# Altium PCB Lancelot.PcbDoc (part 8 of 14)
Units mil, origin at the board's own origin, x right, y up, seen from the top; angles counter-clockwise.
Board outline 4837.61 x 3252.61 mil, 6 copper layers (Top Layer, Mid-Layer 1, Mid-Layer 2, Mid-Layer 3, Mid-Layer 4, Bottom Layer); 372 components, 275 nets, 2062 pads, 1350 vias.
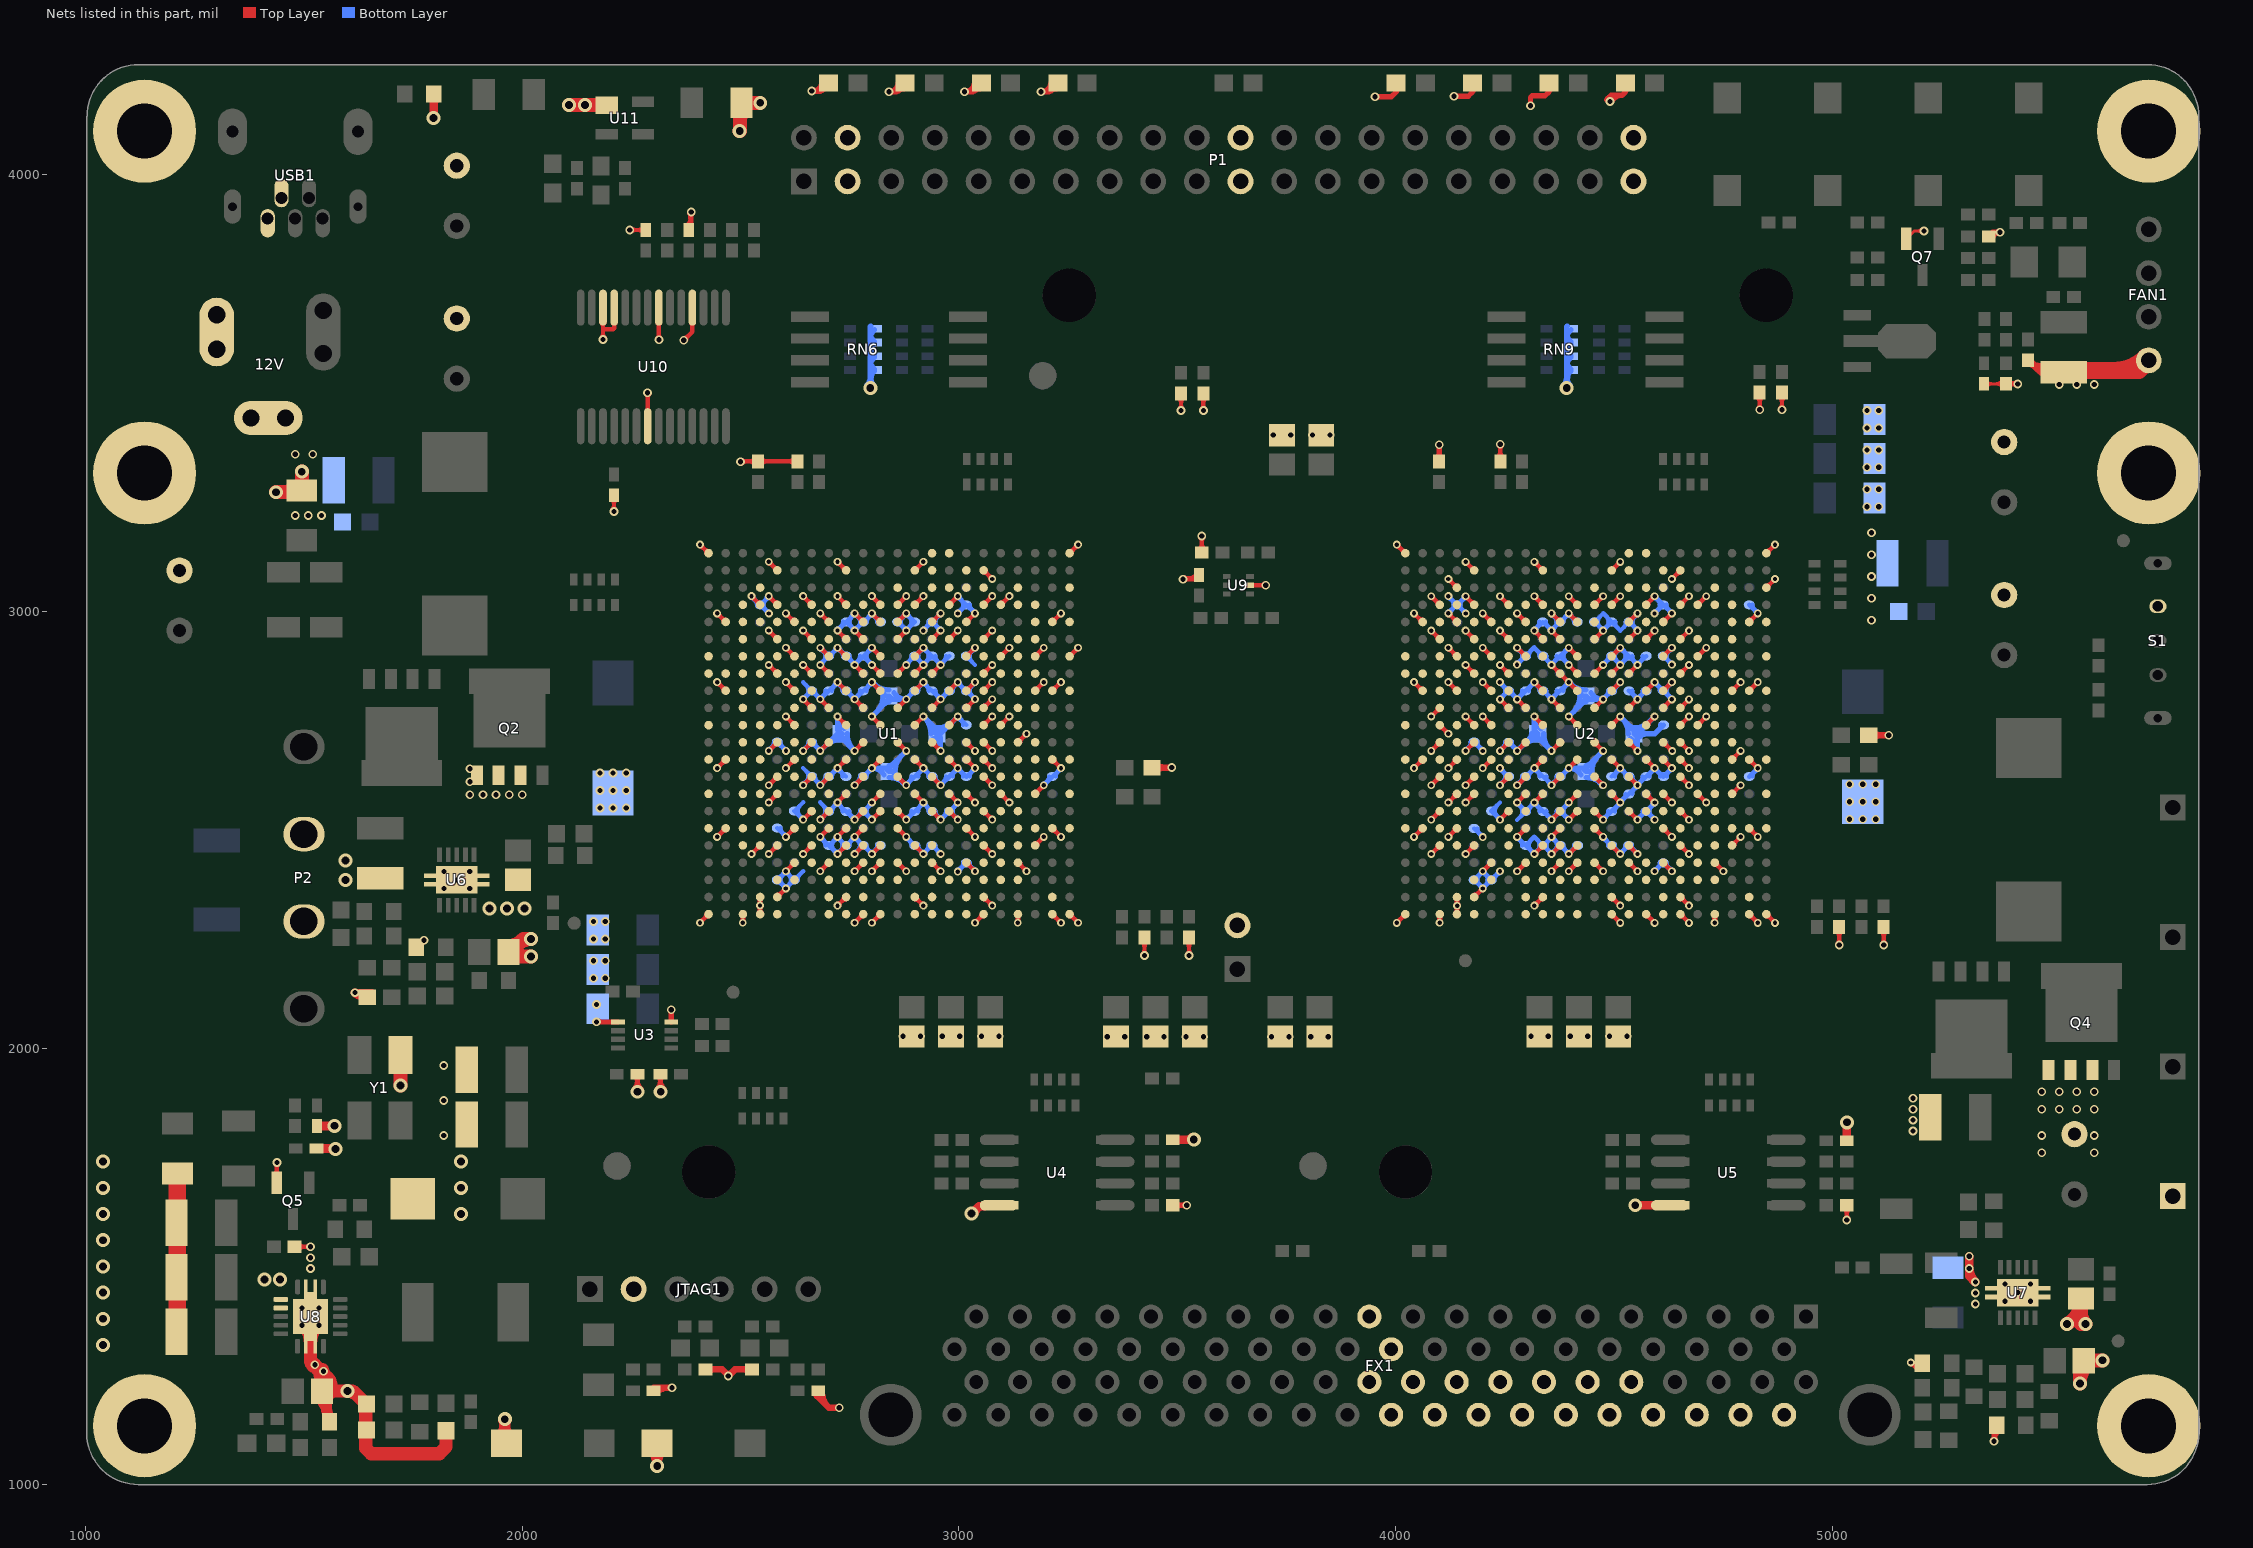
[diagram p12: the nets of this part, all layers, seen from the top]

## Via types
v1: diameter 18, hole 10, Top Layer to Bottom Layer, tented both sides, 625 vias
v2: diameter 20, hole 12, Top Layer to Bottom Layer, tented both sides, 515 vias
v3: diameter 32, hole 18, Top Layer to Bottom Layer, tented both sides, 191 vias
v4: diameter 23.62, hole 11.81, Top Layer to Bottom Layer, tented bottom, 10 vias
v5: diameter 19.68, hole 11.81, Top Layer to Bottom Layer, tented bottom, 4 vias
v6: diameter 118.11, hole 118.11, Top Layer to Bottom Layer, tented bottom, 2 vias
v7: diameter 78.74, hole 78.74, Top Layer to Bottom Layer, tented bottom, 2 vias
v8: diameter 50, hole 28, Top Layer to Bottom Layer, tented both sides, 1 vias

## Nets (pads, with @x,y where several pads share a name; then routed paths per layer and width w, separated by ;. In a path a pad name is that pad's centre, name@x,y a point inside that pad or via, vN(x,y) a via of type N, cw(c..) or ccw(c..) an arc to the next point about the centre after c; other vN are vias at no path point) (continued)
GND: (continued)
  Bottom Layer w10: v1@2524,3031.1 cw(c2519.19,3013.13) 2535.3,3022.43 ; v1@2525.04,3030.96 cw(c2525.04,3021.31) 2531.87,3028.13 cw(c2538.7,3034.96) v1@2529.04,3034.96 ; v1@2525.23,3034.77 C64.1@2545,3015 ; 2532.2,3027.8 cw(c2519.39,3015) C64.1@2537.5,3015 ; 2554.66,3007.65 ccw(c2570.56,3016.83) v1@2565.81,2999.09 ; 2555.14,3023.19 cw(c2569.84,3014.71) v1@2565.44,3031.1 ; 2557.19,3027.19 ccw(c2549.42,3034.96) v1@2560.41,3034.96 ; 2557.8,3002.2 cw(c2570.61,3015) 2552.5,3015 cw(c2570.61,3015) 2557.8,3027.8 ; v1@2560.77,2995.23 ccw(c2551.12,2995.23) 2557.94,3002.06 ccw(c2564.77,3008.88) v1@2564.77,2999.23 ; v1@2563.37,2684.49 ccw(c2558.86,2701.35) 2573.97,2692.62 ; v1@2564.32,2680.54 v1(2564.41,2680.63) 2584.09,2700.32 v1(2603.87,2680.54) ; v1@2564.41,2684.63 ccw(c2564.41,2694.29) 2571.24,2687.46 ccw(c2578.07,2680.63) v1@2568.41,2680.63 ; v1(2564.77,2995.23) C64.1@2545,3015 ; v1@2564.77,3034.77 C64.1@2545,3015 ; v1@2570.65,2686.87 ccw(c2556.51,2701) C44.1@2576.5,2701 ; C45.1@2584,2504 v1@2603.77,2484.23 ; C45.1@2591.5,2504 ccw(c2609.61,2504) 2596.8,2491.2 ; C44.1@2591.5,2701 ccw(c2611.03,2701) 2597.22,2687.19 ; C134.1@2593.49,2378.15 ccw(c2609.64,2387.47) v1@2604.81,2369.46 ; 2593.8,2392.72 cw(c2609.51,2383.65) v1@2604.81,2401.17 ; 2594,2692.78 ccw(c2609.55,2701.76) v1@2604.9,2684.41 ; 2594.12,2495.85 ccw(c2609.37,2504.66) v1@2604.81,2487.64 ; 2596.49,2372.96 cw(c2608.52,2385) 2591.5,2385 cw(c2610.23,2385) 2596.99,2398.25 ; 2596.64,2491.36 cw(c2589.05,2483.78) v1@2599.78,2483.78 ; 2596.9,2372.55 cw(c2589.95,2365.6) v1@2599.78,2365.6 ; 2597.07,2372.37 ccw(c2603.78,2379.08) 2603.78,2369.6 ccw(c2603.78,2379.08) 2610.49,2372.38 ; v1@2599.78,2405.04 cw(c2590.12,2405.04) 2596.95,2398.21 cw(c2603.78,2391.38) v1@2603.78,2401.04 ; v1@2599.87,2680.54 ccw(c2590.21,2680.54) 2597.04,2687.37 ccw(c2603.87,2694.2) v1@2603.87,2684.54 ; v1@2602.74,2369.46 ccw(c2598.22,2386.33) 2613.34,2377.6 ; v1@2602.74,2401.17 cw(c2598.53,2385.45) 2612.63,2393.59 ; v1@2603.23,2404.77 v1@2603.37,2404.63 ; v1@2603.69,2365.58 v1@2603.78,2365.67 ; v1@2603.87,2365.58 v1(2603.78,2365.6) ; v1@2603.87,2405.13 v1(2603.78,2405.04) v1@2603.37,2404.63 ; v1@2607.78,2365.6 cw(c2617.61,2365.6) 2610.66,2372.55 ; v1@2607.78,2405.04 ccw(c2619.41,2405.04) 2611.18,2396.82 ; 2610.12,2372.01 ccw(c2597.13,2385) 2615.5,2385 ccw(c2597.39,2385) 2610.2,2397.8 ; C57.1@2623,2385 v1@2603.37,2404.63 ; C56.1@2623,2543 v1@2642.77,2523.23 ; C56.1@2623.46,2542.83 2643.24,2562.61 ; C57.1@2630.5,2385 cw(c2648.34,2385) 2635.73,2397.62 ; C56.1@2632.44,2536.03 ccw(c2649.19,2545.7) v1@2644.18,2527.01 ; 2635.36,2554.73 ccw(c2647.09,2543) 2630.5,2543 ccw(c2648.61,2543) 2635.8,2530.2 ccw(c2643.15,2537.52) v1@2643.15,2527.15 ; 2636.53,2529.47 cw(c2630.21,2523.15) v1@2639.15,2523.15 ; v1@2642.11,2605.75 ccw(c2637.39,2623.37) 2653.19,2614.25 ; v1@2642.11,2684.49 ccw(c2637.12,2703.12) C36.1@2653.82,2693.48 ; v1@2642.11,2802.6 ccw(c2637.07,2821.42) C53.1@2653.94,2811.68 ; v1@2643.06,2601.8 v1(2643.15,2601.89) 2662.83,2621.57 2643.06,2641.35 ; v1@2643.15,2605.89 ccw(c2643.15,2615.55) 2649.98,2608.72 ccw(c2656.81,2601.89) v1@2647.15,2601.89 ; v1@2643.15,2684.63 ccw(c2643.15,2695.45) 2650.8,2687.8 ; v1@2643.15,2802.74 ccw(c2643.15,2813.83) 2650.99,2805.99 ; 2643.24,2405.13 v1@2603.78,2365.67 ; v1@2643.23,2680.23 C36.1@2663,2700 v1@2682.77,2680.23 ; v1@2643.23,2798.23 C53.1@2663,2818 ; 2643.23,2837.77 C53.1@2663,2818 ; 2650.01,2608.75 ccw(c2636.77,2622) 2655.5,2622 ccw(c2638.82,2622) 2650.61,2633.8 ; 2650.2,2687.2 ccw(c2637.39,2700) C36.1@2655.5,2700 ; 2650.2,2805.2 ccw(c2637.39,2818) 2655.5,2818 ccw(c2637.39,2818) 2650.2,2830.8 ; C54.1@2663,2622 v1@2682.77,2602.23 ; C54.1@2670.5,2622 ccw(c2688.61,2622) 2675.8,2609.2 ; C36.1@2670.5,2700 ccw(c2688.61,2700) 2675.8,2687.2 cw(c2669.22,2680.63) v1@2678.52,2680.63 ; C53.1@2670.5,2818 ccw(c2688.61,2818) 2675.8,2805.2 ; C53.1@2672.32,2811.22 ccw(c2688.34,2820.47) v1@2683.55,2802.6 ; C36.1@2672.44,2693.02 ccw(c2688.29,2702.17) v1@2683.55,2684.49 ; 2673.21,2613.69 ccw(c2687.96,2622.21) v1@2683.55,2605.75 ; 2675.27,2609.73 cw(c2667.43,2601.89) v1@2678.52,2601.89 ; 2675.25,2805.75 ccw(c2682.52,2813.03) 2682.52,2802.74 ccw(c2682.52,2812.93) 2689.73,2805.73 ; 2675.44,2687.56 ccw(c2682.52,2694.64) v1@2682.52,2684.63 ; 2675.87,2805.13 cw(c2669.49,2798.74) v1@2678.52,2798.74 ; v1@2681.48,2479.91 cw(c2676.89,2462.78) 2692.26,2471.65 ; v1@2681.48,2527.01 ccw(c2676.68,2544.94) C93.1@2692.75,2535.66 ; v1@2681.48,2605.75 ccw(c2676.97,2622.6) 2692.08,2613.88 ; v1@2681.48,2802.6 ccw(c2676.73,2820.36) C79.1@2692.65,2811.17 ; v1@2681.48,2881.34 ccw(c2677.28,2897.02) 2691.34,2888.91 ; v1@2681.48,2912.99 cw(c2676.68,2895.06) C81.1@2692.75,2904.34 ; v1@2682.23,2798.23 v1@2682.5,2798.5 ; v1@2682.23,2878.23 C81.1@2701.69,2897.69 ; v1@2682.43,2483.87 2702.2,2464.09 v1@2721.81,2483.69 ; v1@2682.43,2523.06 v1(2682.52,2523.15) 2702.2,2542.83 2682.43,2562.61 ; v1@2682.43,2601.8 v1(2682.52,2601.89) C75.1@2702.2,2621.57 ; v1@2682.43,2916.94 v1(2682.52,2916.85) C81.1@2701.69,2897.69 ; v1@2682.52,2479.78 cw(c2682.52,2470.12) 2689.35,2476.95 cw(c2696.17,2483.78) v1@2686.52,2483.78 ; v1@2682.52,2527.15 ccw(c2682.52,2536.81) 2689.35,2529.98 ccw(c2696.18,2523.15) v1@2686.52,2523.15 ; v1@2682.52,2605.89 ccw(c2682.52,2615.55) 2689.35,2608.72 ccw(c2696.18,2601.89) v1@2686.52,2601.89 ; v1@2682.52,2912.85 cw(c2682.52,2903.19) 2689.35,2910.02 cw(c2696.18,2916.85) v1@2686.52,2916.85 ; v1@2682.77,2798.23 v1@2682.5,2798.5 ; v1@2686.52,2798.74 cw(c2695.64,2798.74) 2689.19,2805.19 ccw(c2676.39,2818) C79.1@2694.5,2818 ; v1@2686.52,2877.48 cw(c2698.68,2877.48) 2690.08,2886.08 ; 2688.46,2556.58 cw(c2673.88,2542) 2694.5,2542 cw(c2677.91,2542) 2689.64,2530.27 ; v1@2688.75,2608.12 ccw(c2674.87,2622) C75.1@2694.5,2622 ; 2688.98,2477.31 cw(c2675.67,2464) C55.1@2694.5,2464 ; 2689.2,2885.2 ccw(c2676.39,2898) 2694.5,2898 ccw(c2677.91,2898) 2689.64,2909.73 ; C55.1@2702,2464 v1@2721.77,2444.23 ; C93.1@2702,2542 2721.75,2561.75 C94.1@2741.5,2542 2761.25,2522.25 C95.1@2781,2542 ; C75.1@2702,2622 2721.75,2641.75 C92.1@2741.5,2622 ; C79.1@2702,2818 v1@2682.5,2798.5 ; C81.1@2702,2898 C81.1@2701.69,2897.69 ; C81.1@2702.12,2897.08 C81.1@2702.2,2897.17 ; C79.1@2702.2,2818.43 v1@2721.98,2838.2 ; C93.1@2709.5,2542 cw(c2727.61,2542) 2714.8,2554.8 ; C75.1@2709.5,2622 cw(c2727.61,2622) 2714.8,2634.8 ; C79.1@2709.5,2818 cw(c2728.14,2818) 2714.96,2831.18 ; C81.1@2709.5,2898 cw(c2725.1,2898) 2714.07,2909.03 ; C75.1@2711.03,2628.27 cw(c2727.99,2618.48) v1@2722.92,2637.4 ; C81.1@2711.13,2903.94 cw(c2727.95,2894.22) v1@2722.92,2912.99 ; C55.1@2711.38,2457.13 ccw(c2727.85,2466.64) v1@2722.92,2448.27 ; 2711.62,2471.24 cw(c2727.74,2461.94) v1@2722.92,2479.91 ; 2711.8,2825.71 cw(c2727.66,2816.56) v1@2722.92,2834.25 ; 2712.34,2550.53 cw(c2727.44,2541.81) v1@2722.92,2558.66 ; 2713.99,2633.99 cw(c2721.89,2626.08) 2721.89,2637.26 cw(c2721.89,2626.75) 2729.32,2634.18 ; 2714.55,2451.45 ccw(c2721.89,2458.78) 2721.89,2448.41 ccw(c2721.89,2458.07) 2728.72,2451.24 ; 2714.61,2554.61 ccw(c2706.71,2562.52) v1@2717.89,2562.52 ; 2714.73,2476.62 ccw(c2727.34,2464) 2709.5,2464 ccw(c2727.61,2464) 2714.8,2451.2 ; 2715.27,2450.73 cw(c2708.95,2444.41) v1@2717.89,2444.41 ; v1@2717.89,2483.78 cw(c2708.23,2483.78) 2715.06,2476.95 cw(c2721.89,2470.12) 2721.89,2479.78 cw(c2721.89,2470.53) 2728.43,2477.07 ; v1@2717.89,2838.11 cw(c2708.23,2838.11) 2715.06,2831.28 cw(c2721.89,2824.46) v1@2721.89,2834.11 ; v1@2717.89,2916.85 cw(c2708.23,2916.85) 2715.06,2910.02 cw(c2721.89,2903.19) 2721.89,2912.85 cw(c2721.89,2900.15) 2730.87,2909.13 ; v1@2720.85,2448.27 ccw(c2716.15,2465.83) 2731.89,2456.74 ; v1@2720.85,2479.91 cw(c2716.23,2462.65) 2731.71,2471.58 ; v1@2720.85,2558.66 cw(c2716.55,2542.61) 2730.94,2550.91 ; v1@2720.85,2637.4 cw(c2716,2619.27) C92.1@2732.25,2628.65 ; v1@2720.85,2834.25 cw(c2716.43,2817.73) 2731.24,2826.28 ; v1@2720.85,2912.99 cw(c2715.43,2892.76) C82.1@2733.57,2903.23 ; v1@2720.85,2960.09 ccw(c2715.84,2978.78) C37.1@2732.61,2969.1 ; v1@2721.66,2837.77 C73.1@2741.43,2818 v1@2761.2,2798.23 ; v1@2721.73,2483.77 v1@2721.81,2483.69 ; v1(2721.89,2444.41) C48.1@2741.5,2464 ; v1(2721.89,2916.85) C81.1@2702.2,2897.17 ; v1@2721.89,2960.22 ccw(c2721.89,2970.68) 2729.29,2963.29 ; v1@2721.98,2483.87 v1(2721.89,2483.78) v1@2721.81,2483.69 ; v1@2722.23,2917.77 C82.1@2742,2898 ; v1@2722.23,2956.23 C37.1@2742,2976 ; v1@2725.89,2444.41 cw(c2735.55,2444.41) 2728.72,2451.24 ; v1@2725.89,2483.78 ccw(c2735.95,2483.78) 2728.84,2476.66 ; v1@2725.89,2562.52 ccw(c2737.74,2562.52) 2729.36,2554.14 ; v1@2725.89,2641.26 ccw(c2734.7,2641.26) 2728.47,2635.03 ; v1@2725.89,2838.11 ccw(c2736.93,2838.11) 2729.12,2830.31 ; v1@2725.89,2956.22 cw(c2734.74,2956.22) 2728.48,2962.48 ; 2728.63,2830.8 cw(c2715.82,2818) C73.1@2733.93,2818 ; 2728.7,2476.8 cw(c2715.89,2464) 2734,2464 cw(c2715.94,2464) 2728.71,2451.23 ; 2728.7,2554.8 cw(c2715.89,2542) C94.1@2734,2542 ; 2728.7,2634.8 cw(c2715.89,2622) C92.1@2734,2622 ; 2729.2,2910.8 cw(c2716.39,2898) C82.1@2734.5,2898 ; 2729.2,2963.2 ccw(c2716.39,2976) C37.1@2734.5,2976 ; C82.1@2741.57,2897.17 v1(2761.26,2877.48) ; C48.1@2741.66,2464.18 C48.1@2741.5,2464 ; C73.1@2748.93,2818 ccw(c2767.04,2818) 2754.23,2805.2 ; C48.1@2749,2464 cw(c2767.11,2464) 2754.3,2476.8 ; C94.1@2749,2542 ccw(c2767.11,2542) 2754.3,2529.2 ; C82.1@2749.5,2898 ccw(c2770.65,2898) v1@2755.69,2883.05 ; C94.1@2750.21,2536.28 ccw(c2767.44,2546.23) v1@2762.29,2527.01 ; C73.1@2750.51,2811.65 ccw(c2767.32,2821.36) v1@2762.29,2802.6 ; 2751.17,2471.38 cw(c2767.03,2462.22) v1@2762.29,2479.91 ; 2751.88,2983.73 cw(c2766.73,2975.16) v1@2762.29,2991.73 ; 2752.07,2967.93 ccw(c2766.65,2976.35) v1@2762.29,2960.09 ; 2752.21,2889.08 ccw(c2766.59,2897.39) v1@2762.29,2881.35 ; 2752.88,2530.62 ccw(c2761.26,2539) 2761.26,2527.15 ccw(c2761.26,2538.95) 2769.61,2530.61 ; 2753.45,2805.97 ccw(c2761.26,2813.78) 2761.26,2802.74 ccw(c2761.26,2812.4) 2768.09,2805.57 ccw(c2774.92,2798.74) v1@2765.26,2798.74 ; 2754.06,2963.94 cw(c2746.35,2956.22) v1@2757.26,2956.22 ; 2754.2,2988.2 ccw(c2746.8,2995.59) v1@2757.26,2995.59 ; 2754.42,2476.92 ccw(c2747.55,2483.78) v1@2757.26,2483.78 ; 2754.46,2476.96 cw(c2761.26,2470.17) 2761.26,2479.78 cw(c2761.26,2470.21) 2768.02,2476.98 ; 2754.8,2963.2 cw(c2767.61,2976) 2749.5,2976 cw(c2767.61,2976) 2754.8,2988.8 ; 2755,2989 cw(c2761.26,2982.74) 2761.26,2991.59 cw(c2761.26,2980.97) 2768.77,2988.48 ; v1@2757.26,2877.48 ccw(c2747.6,2877.48) 2754.43,2884.31 ccw(c2761.26,2891.14) 2761.26,2881.48 ccw(c2761.26,2891.14) 2768.09,2884.31 ccw(c2774.91,2877.48) v1@2765.26,2877.48 ; v1@2760.22,2448.27 ccw(c2755.45,2466.1) 2771.43,2456.87 ; v1@2760.22,2479.91 cw(c2755.5,2462.27) 2771.31,2471.41 ; v1@2760.22,2527.01 ccw(c2755.09,2546.18) C95.1@2772.27,2536.26 ; v1@2760.22,2605.75 ccw(c2755.57,2623.14) 2771.15,2614.14 ; v1@2760.22,2802.6 ccw(c2755.45,2820.42) C74.1@2771.43,2811.2 ; v1@2760.22,2881.35 ccw(c2755.66,2898.39) 2770.94,2889.56 ; v1@2760.22,2960.09 ccw(c2755.35,2978.27) 2771.66,2968.86 ; v1@2760.22,2991.73 cw(c2755.22,2973.06) C38.1@2771.96,2982.73 ; v1@2761.17,2601.8 v1(2761.26,2601.89) C91.1@2780.94,2621.57 ; v1@2761.17,2877.39 v1(2761.26,2877.48) ; v1@2761.17,2956.13 v1@2761.52,2956.48 ; v1(2761.26,2444.41) C49.1@2780.93,2464.07 ; v1@2761.26,2448.41 ccw(c2761.26,2458.07) 2768.09,2451.24 ccw(c2774.92,2444.41) v1@2765.26,2444.41 ; v1@2761.26,2605.89 ccw(c2761.26,2615.55) 2768.09,2608.72 ccw(c2774.92,2601.89) v1@2765.26,2601.89 ; v1(2761.26,2798.74) C74.1@2781.03,2818.51 ; v1@2761.26,2960.22 ccw(c2761.26,2969.88) 2768.09,2963.05 ccw(c2774.91,2956.22) v1@2765.26,2956.22 ; v1@2761.35,2877.39 v1(2761.26,2877.48) ; v1@2761.48,2995.77 v1@2761.62,2995.62 ; v1@2761.77,2956.23 v1@2761.52,2956.48 ; v1@2761.77,2995.77 v1@2761.62,2995.62 ; v1@2765.26,2483.78 ccw(c2775.01,2483.78) 2768.11,2476.89 ; 2767.65,2883.87 ccw(c2753.51,2898) C83.1@2773.5,2898 ; 2767.94,2608.57 ccw(c2754.5,2622) C91.1@2773.5,2622 ; 2768.2,2476.8 cw(c2755.39,2464) 2773.5,2464 cw(c2755.75,2464) 2768.3,2451.45 ; 2768.2,2529.2 ccw(c2755.39,2542) C95.1@2773.5,2542 ; 2768.29,2805.78 ccw(c2756.07,2818) C74.1@2773.36,2818 ; 2768.45,2988.8 cw(c2755.64,2976) 2773.75,2976 cw(c2756.15,2976) 2768.6,2963.56 ; C49.1@2780.86,2464.18 C49.1@2780.94,2464.09 ; C74.1@2780.86,2818 v1@2800.63,2837.77 ; C83.1@2780.86,2897.08 v1(2800.63,2916.85) ; C38.1@2780.94,2975.91 v1@2761.52,2956.48 ; C91.1@2781,2622 v1@2800.77,2641.77 ; C49.1@2781.03,2464.18 C49.1@2780.94,2464.09 ; C74.1@2788.36,2818 cw(c2806.46,2818) 2793.66,2830.8 ; C49.1@2788.5,2464 ccw(c2806.52,2464) 2793.78,2451.26 ; C91.1@2788.5,2622 cw(c2806.61,2622) 2793.8,2634.8 ; C38.1@2788.75,2976 cw(c2806.86,2976) 2794.05,2988.8 ; C95.1@2789.81,2536.1 ccw(c2806.72,2545.86) v1@2801.66,2527.01 ; C83.1@2790.2,2904.19 cw(c2806.55,2894.76) v1@2801.66,2912.99 ; C91.1@2790.24,2628.63 cw(c2806.53,2619.22) v1@2801.66,2637.4 ; 2790.6,2456.76 ccw(c2806.38,2465.87) v1@2801.66,2448.27 ; 2790.86,2825.96 cw(c2806.27,2817.07) v1@2801.66,2834.25 ; 2791.03,2983.57 cw(c2806.2,2974.81) v1@2801.66,2991.73 ; 2791.1,2889.45 ccw(c2806.17,2898.15) v1@2801.66,2881.34 ; 2791.54,2550.89 cw(c2805.98,2542.56) v1@2801.66,2558.66 ; 2792.47,2530.53 ccw(c2800.63,2538.68) v1@2800.63,2527.15 ; 2793.17,2554.17 ccw(c2784.82,2562.52) v1@2796.63,2562.52 ; 2793.17,2634.17 cw(c2800.63,2626.71) v1@2800.63,2637.26 ; 2793.25,2909.48 ccw(c2804.73,2898) 2788.5,2898 ccw(c2808.75,2898) v1@2794.43,2883.68 ; 2793.56,2830.7 ccw(c2786.15,2838.11) v1@2796.63,2838.11 ; 2793.65,2988.4 ccw(c2786.46,2995.59) v1@2796.63,2995.59 ; 2793.8,2529.2 cw(c2806.61,2542) 2788.5,2542 cw(c2806.61,2542) 2793.8,2554.8 ; 2794.06,2635.06 ccw(c2787.87,2641.26) v1@2796.63,2641.26 ; 2794.16,2988.91 cw(c2800.63,2982.45) 2800.63,2991.59 cw(c2800.63,2981.93) 2807.46,2988.76 cw(c2814.29,2995.59) v1@2804.63,2995.59 ; 2794.38,2831.52 cw(c2800.63,2825.27) v1@2800.63,2834.11 ; v1@2796.63,2444.41 ccw(c2786.97,2444.41) 2793.8,2451.24 ; v1@2796.63,2877.48 ccw(c2786.97,2877.48) 2793.8,2884.31 ccw(c2800.63,2891.14) v1@2800.63,2881.48 ; v1@2796.63,2916.85 cw(c2786.97,2916.85) 2793.8,2910.02 cw(c2800.63,2903.19) v1@2800.63,2912.85 ; v1@2799.59,2448.27 ccw(c2795.02,2465.34) 2810.32,2456.51 ; v1@2799.59,2991.73 cw(c2794.74,2973.63) C58.1@2810.97,2983 ; v1@2800.54,2995.68 v1(2800.63,2995.59) v1@2800.74,2995.49 ; v1@2800.72,2877.39 v1(2800.63,2877.48) 2780.94,2897.17 v1(2761.26,2877.48) ; v1@2800.77,2522.23 C95.1@2781,2542 ; v1@2800.77,2561.77 C95.1@2781,2542 ; v1@2801.02,2995.77 v1@2800.74,2995.49 ; v1@2804.63,2444.41 cw(c2814.29,2444.41) 2807.46,2451.24 cw(c2800.63,2458.07) 2800.63,2448.41 cw(c2800.63,2458.07) 2793.8,2451.24 ; 2807.04,2450.82 ccw(c2793.86,2464) C43.1@2812.5,2464 ; 2807.89,2988.33 cw(c2795.57,2976) C58.1@2813,2976 ; C58.1@2820.32,2975.91 v1@2800.74,2995.49 ; C43.1@2820.4,2464.18 v1(2800.63,2444.41) C49.1@2781,2464 ; C52.1@2859.69,2975.91 v1(2879.37,2956.22) ; C52.1@2859.84,2975.91 v1@2879.47,2995.53 ; 2869.45,2968.49 ccw(c2885.08,2977.51) v1@2880.41,2960.09 ; 2869.43,2983.31 cw(c2885.08,2974.27) v1@2880.41,2991.73 ; 2872.42,2988.48 ccw(c2884.9,2976) 2867.25,2976 ccw(c2885.74,2976) 2872.67,2962.92 ; 2872.43,2988.49 ccw(c2865.33,2995.59) v1@2875.37,2995.59 ; 2872.81,2988.88 cw(c2879.37,2982.32) 2879.37,2991.59 cw(c2879.37,2981.84) 2886.26,2988.74 ; v1@2875.37,2956.22 ccw(c2865.72,2956.22) 2872.54,2963.05 ccw(c2879.37,2969.88) 2879.37,2960.22 ccw(c2879.37,2969.88) 2886.2,2963.05 ccw(c2893.03,2956.22) v1@2883.37,2956.22 ; v1@2878.34,2479.91 cw(c2873.66,2462.48) 2889.3,2471.5 ; v1@2878.34,2527.01 ccw(c2873.45,2545.24) C88.1@2889.8,2535.81 ; v1@2878.34,2605.75 ccw(c2873.84,2622.52) 2888.88,2613.84 ; v1@2878.34,2802.6 ccw(c2873.47,2820.78) C76.1@2889.76,2811.37 ; v1@2878.34,2881.34 ccw(c2874.02,2897.44) 2888.46,2889.11 ; v1@2878.34,2960.09 ccw(c2873.66,2977.52) 2889.3,2968.5 ; v1@2878.34,2991.73 cw(c2873.61,2974.1) 2889.42,2983.22 ; v1@2879.23,2602.23 C86.1@2899,2622 ; v1@2879.23,2798.23 C76.1@2899,2818 v1@2918.77,2837.77 ; v1@2879.23,2878.23 C85.1@2899,2898 ; v1@2879.23,2995.77 v1@2879.47,2995.53 ; v1@2879.28,2956.13 v1(2879.37,2956.22) ; v1@2879.37,2479.78 cw(c2879.37,2470.12) 2886.2,2476.95 cw(c2893.03,2483.78) v1@2883.37,2483.78 ; v1(2879.37,2483.78) 2899.14,2464.01 v1@2918.57,2444.57 ; v1(2879.37,2523.15) v1@2918.92,2562.69 ; v1@2879.37,2527.15 ccw(c2879.37,2536.81) 2886.2,2529.98 ccw(c2893.03,2523.15) v1@2883.37,2523.15 ; v1@2879.37,2802.74 ccw(c2879.37,2813.29) 2886.83,2805.83 ; v1@2879.46,2956.13 v1(2879.37,2956.22) ; v1@2879.62,2995.68 v1@2879.47,2995.53 ; v1@2883.37,2601.89 cw(c2894.19,2601.89) 2886.54,2609.54 ; v1@2883.37,2798.74 cw(c2892.13,2798.74) 2885.94,2804.94 ; v1@2883.37,2877.48 cw(c2895.18,2877.48) 2886.83,2885.83 ; v1@2883.37,2995.59 ccw(c2892.94,2995.59) 2886.17,2988.83 ; 2886.09,2477.06 cw(c2873.03,2464) C50.1@2891.5,2464 ; 2886.09,2962.94 ccw(c2873.03,2976) 2891.5,2976 ccw(c2873.39,2976) 2886.2,2988.8 ; 2886.2,2609.2 ccw(c2873.39,2622) C86.1@2891.5,2622 ; 2886.2,2805.2 ccw(c2873.39,2818) C76.1@2891.5,2818 ; 2886.2,2885.2 ccw(c2873.39,2898) C85.1@2891.5,2898 ; 2886.75,2530.52 ccw(c2875.27,2542) C88.1@2891.5,2542 ; C86.1@2898.97,2621.49 v1(2918.74,2641.26) 2938.51,2621.49 v1(2958.11,2601.89) ; C40.1@2899,2976 v1@2879.47,2995.53 ; C40.1@2899.06,2975.91 v1(2879.37,2956.22) ; C50.1@2906.5,2464 ccw(c2924.25,2464) 2911.7,2451.45 ; C88.1@2906.5,2542 cw(c2926.48,2542) 2912.35,2556.13 ; C86.1@2906.5,2622 cw(c2923.44,2622) 2911.46,2633.98 ; C76.1@2906.5,2818 cw(c2924.61,2818) 2911.8,2830.8 ; C85.1@2908.17,2904.08 cw(c2924.72,2894.53) v1@2919.78,2912.99 ; C86.1@2908.39,2628.66 cw(c2924.63,2619.28) v1@2919.78,2637.4 ; 2908.57,2456.87 ccw(c2924.55,2466.1) v1@2919.78,2448.27 ; 2909.07,2550.44 cw(c2924.34,2541.62) v1@2919.78,2558.66 ; 2909.03,2826 cw(c2924.36,2817.16) v1@2919.78,2834.25 ; 2909.06,2889.56 ccw(c2924.34,2898.39) v1@2919.78,2881.35 ; 2911.17,2909.28 ccw(c2922.46,2898) 2906.5,2898 ccw(c2926.49,2898) 2912.35,2883.87 ; 2911.65,2830.65 ccw(c2904.19,2838.11) v1@2914.74,2838.11 ; 2912.54,2831.54 cw(c2918.74,2825.35) 2918.74,2834.11 cw(c2918.74,2825.13) 2925.09,2831.48 ; v1@2914.74,2444.41 ccw(c2905.08,2444.41) 2911.91,2451.24 ccw(c2918.74,2458.07) 2918.74,2448.41 ccw(c2918.74,2457.26) 2925,2451 ; v1@2914.74,2562.52 cw(c2905.08,2562.52) 2911.91,2555.69 cw(c2918.74,2548.86) v1@2918.74,2558.52 ; v1@2914.74,2641.26 cw(c2905.08,2641.26) 2911.91,2634.43 cw(c2918.74,2627.6) 2918.74,2637.26 cw(c2918.74,2627.6) 2925.57,2634.43 cw(c2932.4,2641.26) v1@2922.74,2641.26 ; v1@2914.74,2877.48 ccw(c2905.09,2877.48) 2911.91,2884.31 ccw(c2918.74,2891.14) v1@2918.74,2881.48 ; v1@2914.74,2916.85 cw(c2905.08,2916.85) 2911.91,2910.02 cw(c2918.74,2903.19) 2918.74,2912.85 cw(c2918.74,2902.78) 2925.86,2909.9 ; v1@2917.62,2960 ccw(c2913.12,2976.78) 2928.17,2968.09 ; v1@2917.71,2448.27 ccw(c2913.27,2464.84) 2928.12,2456.27 ; v1@2917.71,2558.66 cw(c2913.29,2542.18) 2928.06,2550.71 ; v1@2917.71,2637.4 cw(c2912.84,2619.24) C87.1@2929.12,2628.64 ; v1@2917.71,2834.25 cw(c2913.06,2816.9) 2928.61,2825.88 ; v1@2917.71,2881.34 ccw(c2913.29,2897.82) 2928.06,2889.29 ; v1@2917.71,2912.99 cw(c2912.71,2894.35) C84.1@2929.42,2904 ; v1@2918.23,2444.23 v1@2918.57,2444.57 ; v1(2918.65,2956.13) C65.1@2938.26,2975.74 ; v1@2918.65,2960.13 ccw(c2918.65,2969.79) 2925.48,2962.96 ccw(c2932.31,2956.13) v1@2922.65,2956.13 ; v1(2918.74,2444.41) v1@2918.57,2444.57 ; v1@2918.73,2561.77 C89.1@2938.5,2542 ; v1@2918.73,2878.23 C84.1@2938.13,2897.63 ; v1@2918.8,2837.77 C77.1@2938.57,2818 2958.34,2798.23 C78.1@2978.14,2818 v1@2997.57,2837.43 ; v1@2918.83,2877.39 2899.06,2897.17 v1(2918.74,2916.85) 2918.83,2916.94 C84.1@2938.13,2897.63 ; v1@2922.74,2444.41 cw(c2933.2,2444.41) 2925.8,2451.8 ; v1@2922.74,2562.52 ccw(c2934.23,2562.52) 2926.11,2554.39 ; v1@2922.74,2838.11 ccw(c2933.08,2838.11) 2925.77,2830.8 cw(c2912.96,2818) C77.1@2931.07,2818 ; v1@2922.74,2877.48 cw(c2934.23,2877.48) 2926.11,2885.61 ; v1@2922.74,2916.85 ccw(c2931.98,2916.85) 2925.45,2910.32 ; v1@2924.83,2962.31 ccw(c2911.14,2976) C65.1@2930.5,2976 ; 2925.2,2451.2 ccw(c2912.39,2464) C47.1@2930.5,2464 ; 2925.7,2554.8 cw(c2912.89,2542) C89.1@2931,2542 ; 2925.7,2885.2 ccw(c2912.89,2898) 